# Altium PCB klpfly.PcbDoc (continued)
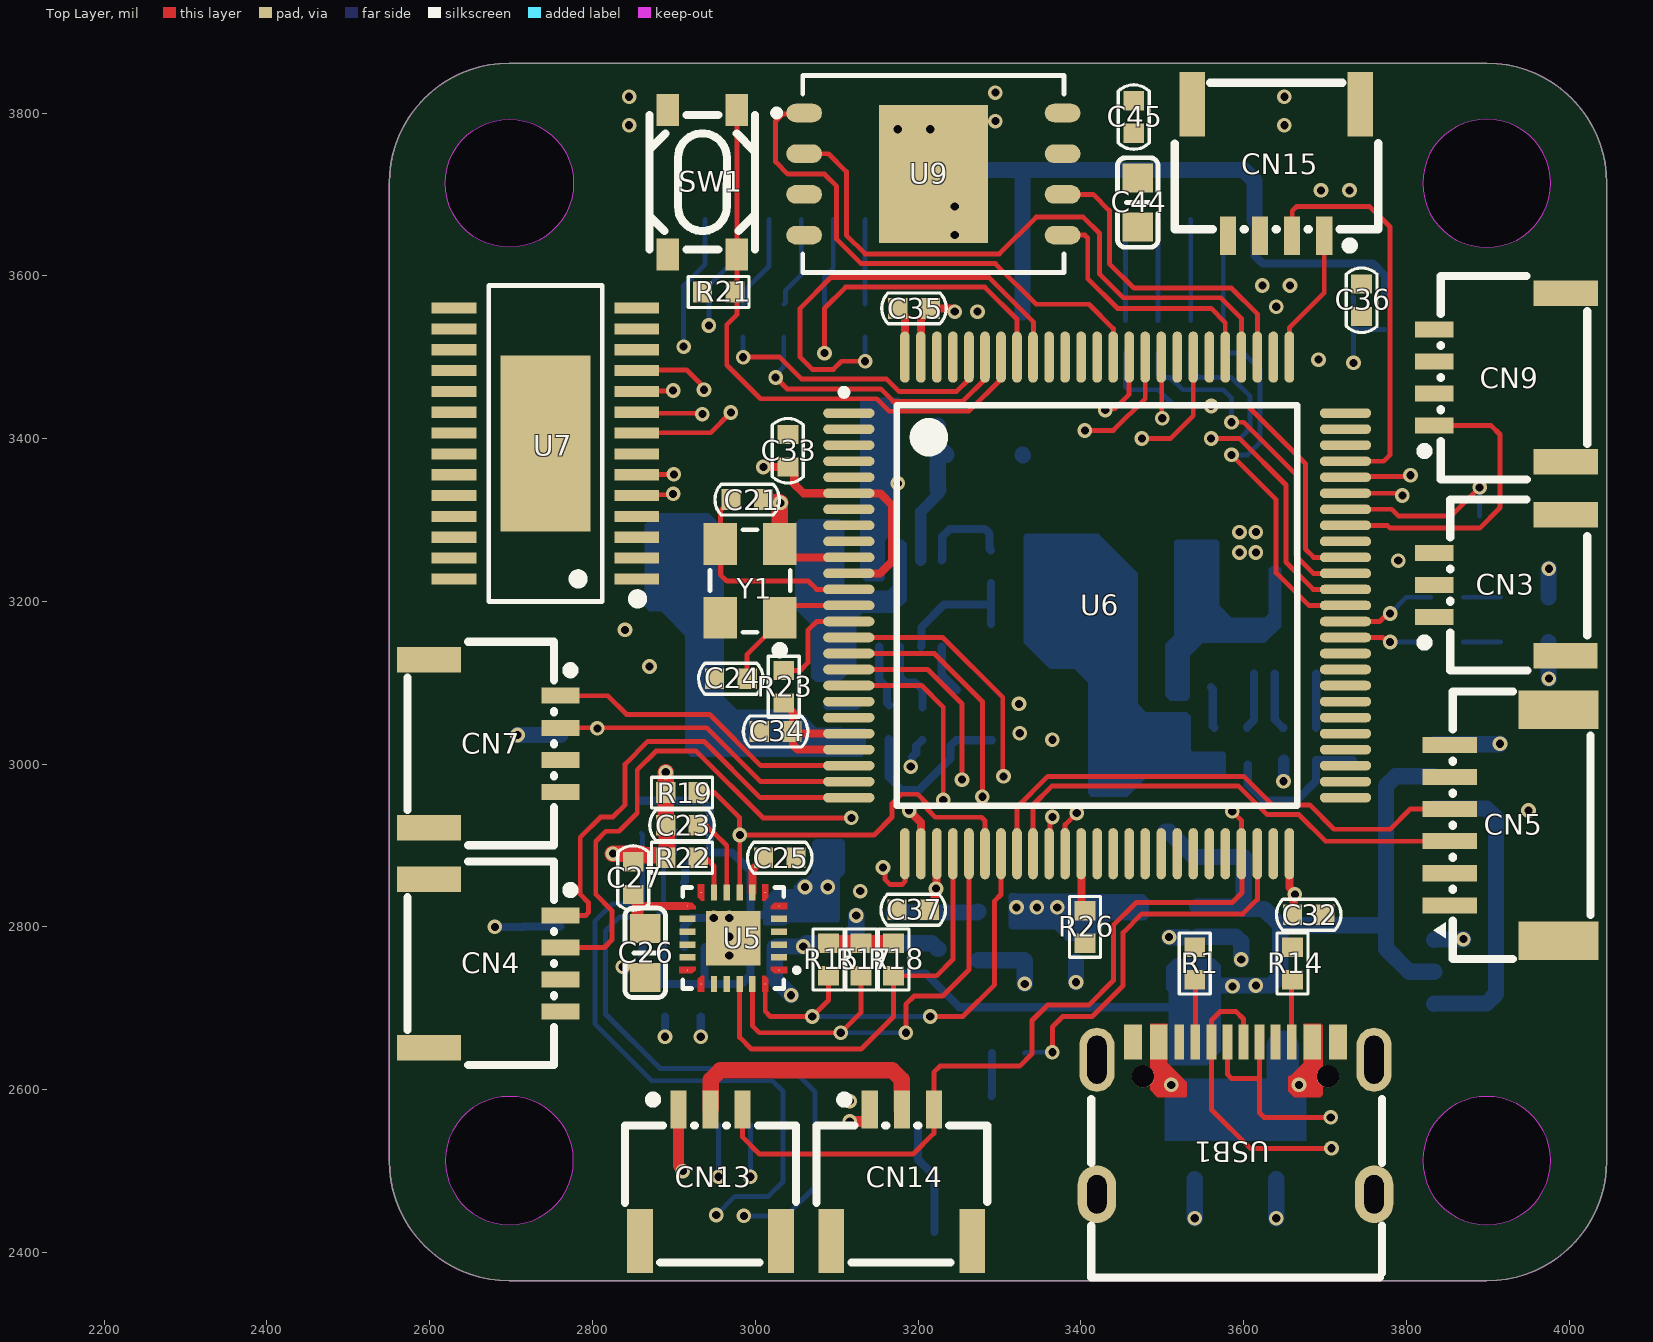
[diagram p0: Top Layer view]
## Footprints (in the part's own frame and the unit in brackets; to place one, negate y for a bottom-side part, rotate by r counter-clockwise, add the part's x,y. Pads: shape width x height; smd on the part's side, far side on the other; paste and mask are expansions set on the pad)
0402C [mm]
  rect 0.6x0.65 smd: 1(-0.508,0) 2(0.508,0)
  silkscreen extent -1.01,-0.48 1.01,0.48, body extent -0.51,-0.23 0.49,0.27, height 0.5
0402R [mm]
  rect 0.6x0.65 smd: 1(-0.508,0) 2(0.508,0)
  silkscreen extent -0.95,-0.48 0.95,0.48, body extent -0.47,-0.25 0.53,0.25, height 0.35
0603C [mm]
  rect 0.9x0.95 smd: 1(-0.762,0) 2(0.762,0)
  silkscreen extent -1.4,-0.64 1.4,0.64, body extent -0.79,-0.38 0.81,0.42, height 0.3
0805 [mil]
  rect 60x50 smd: 1(0,-0.06) 2(90,-0.06)
  silkscreen extent -50,-45 140,45
0805C [mm]
  rect 1.15x1.45 smd: 1(-0.889,0) 2(0.889,0)
  silkscreen extent -1.7,-0.99 1.7,0.99, body extent -1,-0.63 1,0.63, height 0.78
CONN-SMD_3P-P1.00_HDGC_HDGC1002WR-S-3P [mm]
  rect 0.5x1.2 smd paste+0 mask+0.05: 1(-1,2.05) 2(0,2.05) 3(1,2.05)
  rect 0.8x2 smd paste+0 mask+0.05: 4(2.2,-2.05) 5(-2.2,-2.05)
  silkscreen extent -2.67,-2.72 2.67,2.48
CONN-SMD_4P-P1.00_HDGC_HDGC1002WR-S-4P [mm]
  rect 0.5x1.2 smd paste+0 mask+0.05: 1(-1.5,2.05) 2(-0.5,2.05) 3(0.5,2.05) 4(1.5,2.05)
  rect 0.8x2 smd paste+0 mask+0.05: 5(2.625,-2.05) 6(-2.625,-2.05)
  silkscreen extent -3.18,-2.72 3.17,2.49
CONN-SMD_6P-P1.00_MEGASTAR_ZX-SH1.0-6PWT [mm]
  rect 0.5x1.7 smd paste+0 mask+0.05: 1(-2.5,1.7) 2(-1.5,1.7) 3(-0.5,1.7) 4(0.5,1.7) 5(1.5,1.7) 6(2.5,1.7)
  rect 1.2x2.5 smd paste+0 mask+0.05: 7(3.6,-1.7) 8(-3.6,-1.7)
  silkscreen extent -4.17,-2.7 4.18,2.21
CONN-SMD_8P-P1.00_WAFER-SH1.0-8PWB [mm]
  rect 0.5x1.7 smd paste+0 mask+0.05: 1(-3.5,1.7) 2(-2.5,1.7) 3(-1.5,1.7) 4(-0.5,1.7) 5(0.5,1.7) 6(1.5,1.7) 7(2.5,1.7) 8(3.5,1.7)
  rect 1.2x2.5 smd paste+0 mask+0.05: 9(-4.6,-1.7) 10(4.6,-1.7)
  silkscreen extent -5.17,-2.95 5.17,2.32
IND-SMD_L5.4-W5.1 [mm]
  rect 1.25x2.5 smd paste+0.051: 1(-2.4,0) 2(2.4,0)
  silkscreen extent -2.7,-2.6 2.7,2.6
LED-0603 [mm]
  rect 0.8x0.8 smd: 1(-0.75,0) 2(0.75,0)
  silkscreen extent -1.4,-0.64 1.66,0.64, body extent -0.8,-0.4 0.8,0.4, height 0.4
LQFP-100_L14.0-W14.0-P0.50-LS16.0-TL [mm]
  oval 1.6x0.3 smd paste+0 mask+0.051: 1(-7.75,6) 2(-7.75,5.5) 3(-7.75,5) 4(-7.75,4.5) 5(-7.75,4) 6(-7.75,3.5) 7(-7.75,3) 8(-7.75,2.5) 9(-7.75,2) 10(-7.75,1.5) 11(-7.75,1) 12(-7.75,0.5) 13(-7.75,0) 14(-7.75,-0.5) 15(-7.75,-1) 16(-7.75,-1.5) 17(-7.75,-2) 18(-7.75,-2.5) 19(-7.75,-3) 20(-7.75,-3.5) 21(-7.75,-4) 22(-7.75,-4.5) 23(-7.75,-5) 24(-7.75,-5.5) 25(-7.75,-6) 51(7.75,-6) 52(7.75,-5.5) 53(7.75,-5) 54(7.75,-4.5) 55(7.75,-4) 56(7.75,-3.5) 57(7.75,-3) 58(7.75,-2.5) 59(7.75,-2) 60(7.75,-1.5) 61(7.75,-1) 62(7.75,-0.5) 63(7.75,0) 64(7.75,0.5) 65(7.75,1) 66(7.75,1.5) 67(7.75,2) 68(7.75,2.5) 69(7.75,3) 70(7.75,3.5) 71(7.75,4) 72(7.75,4.5) 73(7.75,5) 74(7.75,5.5) 75(7.75,6)
  oval 0.3x1.6 smd paste+0 mask+0.051: 26(-6,-7.75) 27(-5.5,-7.75) 28(-5,-7.75) 29(-4.5,-7.75) 30(-4,-7.75) 31(-3.5,-7.75) 32(-3,-7.75) 33(-2.5,-7.75) 34(-2,-7.75) 35(-1.5,-7.75) 36(-1,-7.75) 37(-0.5,-7.75) 38(0,-7.75) 39(0.5,-7.75) 40(1,-7.75) 41(1.5,-7.75) 42(2,-7.75) 43(2.5,-7.75) 44(3,-7.75) 45(3.5,-7.75) 46(4,-7.75) 47(4.5,-7.75) 48(5,-7.75) 49(5.5,-7.75) 50(6,-7.75) 76(6,7.75) 77(5.5,7.75) 78(5,7.75) 79(4.5,7.75) 80(4,7.75) 81(3.5,7.75) 82(3,7.75) 83(2.5,7.75) 84(2,7.75) 85(1.5,7.75) 86(1,7.75) 87(0.5,7.75) 88(0,7.75) 89(-0.5,7.75) 90(-1,7.75) 91(-1.5,7.75) 92(-2,7.75) 93(-2.5,7.75) 94(-3,7.75) 95(-3.5,7.75) 96(-4,7.75) 97(-4.5,7.75) 98(-5,7.75) 99(-5.5,7.75) 100(-6,7.75)
  silkscreen extent -8,-6.25 6.25,6.75
QFN-8-3X3 [mm]
  oval 1.3x0.35 smd paste+0 mask+0.051: 1(-1.349,1.001) 2(-1.349,0.351) 3(-1.349,-0.3) 4(-1.349,-0.95) 5(1.346,-0.95) 6(1.346,-0.3) 7(1.346,0.351) 8(1.349,1.001)
  silkscreen extent -2.29,-1.6 1.68,1.64
QFN-24_L3.0-W3.0-P0.40-BL-EP [mm]
  round 0.04 smd: 1(-1,-1.428) 6(1,-1.428) 7(1.428,-1) 12(1.428,1) 13(1,1.428) 18(-1,1.428) 19(-1.428,1) 24(-1.428,-1)
  rect 0.2x0.505 smd paste-100 mask+0.051: 2(-0.6,-1.428) 3(-0.2,-1.428) 4(0.2,-1.428) 5(0.6,-1.428) 14(0.6,1.428) 15(0.2,1.428) 16(-0.2,1.428) 17(-0.6,1.428)
  rect 0.505x0.2 smd paste-100 mask+0.051: 8(1.428,-0.6) 9(1.428,-0.2) 10(1.428,0.2) 11(1.428,0.6) 20(-1.428,0.6) 21(-1.428,0.2) 22(-1.428,-0.2) 23(-1.428,-0.6)
  rect 1.7x1.7 smd paste-100 mask+0.051: 25(0,0)
  Top Layer region: -1.1,1.68 -0.9,1.68 -0.9,1.175 -1,1.174 -1.1,1.274 -1.1,1.68
  Top Layer region: -1.68,-1.1 -1.274,-1.1 -1.174,-1 -1.175,-0.9 -1.68,-0.9 -1.68,-1.1
  Top Layer region: 1.68,-1.1 1.275,-1.1 1.175,-1 1.175,-0.9 1.68,-0.9 1.68,-1.1
  Top Layer region: 1.68,1.1 1.274,1.1 1.174,1 1.175,0.9 1.68,0.9 1.68,1.1
  Top Layer region: 1.1,1.68 0.9,1.68 0.9,1.175 1,1.174 1.1,1.274 1.1,1.68
  Top Layer region: -1.1,-1.68 -0.9,-1.68 -0.9,-1.175 -1,-1.174 -1.1,-1.275 -1.1,-1.68
  Top Layer region: 1.1,-1.68 0.9,-1.68 0.9,-1.175 1,-1.175 1.1,-1.275 1.1,-1.68
  Top Layer region: -1.68,1.1 -1.274,1.1 -1.174,1 -1.175,0.9 -1.68,0.9 -1.68,1.1
  silkscreen extent -1.58,-2.05 1.58,1.58
SENSOR-TH_BMP280-BL [mm]
  oval 0.767x0.364 smd paste+0 mask+0.051: 1(-1.008,-0.975) 2(-1.008,-0.325) 3(-1.008,0.325) 4(-1.008,0.975) 5(1.009,0.975) 6(1.009,0.325) 7(1.009,-0.325) 8(1.009,-0.975)
  silkscreen extent -1.61,-1.33 1.08,1.33
SOD-123 [mm]
  rect 1x1.22 smd: 1(-1.524,0) 2(1.524,0)
  silkscreen extent -1.43,-0.85 1.42,0.85, body extent -1.85,-0.81 1.85,0.79, height 1.2
SOD-123_L2.7-W1.8-LS3.7-BI [mm]
  rect 1.4x1.2 smd paste+0 mask+0.051: 1(-1.735,0) 2(1.735,0)
  silkscreen extent -1.38,-0.93 1.38,0.93
SOT-23-5_L3.0-W1.7-P0.95-LS2.8-BL [mm]
  rect 0.49x1.157 smd paste+0 mask+0.051: 1(-0.95,-1.154) 2(0,-1.154) 3(0.95,-1.154)
  rect 0.49x1.175 smd paste+0 mask+0.051: 4(0.95,1.154) 5(-0.95,1.154)
  silkscreen extent -1.8,-1.29 1.53,0.85
SOT-23_L2.9-W1.3-P1.90-LS2.4-BR [mm]
  rect 0.8x0.6 smd paste+0 mask+0.051: 1(1.15,-0.95) 2(1.15,0.95) 3(-1.15,0)
  silkscreen extent -0.7,-1.5 0.7,1.5
SW-SMD_4P-L4.2-W3.2-P2.15-LS4.6-1 [mm]
  rect 1x0.7 smd paste+0 mask+0.051: 1(-2.25,1.075) 2(2.25,1.075) 3(-2.25,-1.075) 4(2.25,-1.075)
  silkscreen extent -2.1,-1.65 2.1,1.65
TSSOP-28_L9.7-W4.4-P0.65-LS6.4-BL-EP5.5 [mm]
  rect 0.35x1.4 smd paste+0 mask+0.051: 1(-4.225,-2.85) 2(-3.575,-2.85) 3(-2.925,-2.85) 4(-2.275,-2.85) 5(-1.625,-2.85) 6(-0.975,-2.85) 7(-0.325,-2.85) 8(0.325,-2.85) 9(0.975,-2.85) 10(1.625,-2.85) 11(2.275,-2.85) 12(2.925,-2.85) 13(3.575,-2.85) 14(4.225,-2.85) 15(4.225,2.85) 16(3.575,2.85) 17(2.925,2.85) 18(2.275,2.85) 19(1.625,2.85) 20(0.975,2.85) 21(0.325,2.85) 22(-0.325,2.85) 23(-0.975,2.85) 24(-1.625,2.85) 25(-2.275,2.85) 26(-2.925,2.85) 27(-3.575,2.85) 28(-4.225,2.85)
  rect 5.5x2.8 smd paste+0 mask+0.05: 29(0,0)
  silkscreen extent -5,-3.02 4.93,1.77
USB-C-SMD_TYPE-C-6PIN-2MD-073 [mm]
  rect 0.55x1.1 smd paste-100 mask+0.05: 1(-3.2,2.375) 2(-2.4,2.375) 11(2.4,2.375) 12(3.2,2.375)
  rect 0.3x1.1 smd paste-100 mask+0.05: 3(-1.75,2.375) 4(-1.25,2.375) 5(-0.75,2.375) 6(-0.25,2.375) 7(0.25,2.375) 8(0.75,2.375) 9(1.25,2.375) 10(1.75,2.375)
  oval 1.2x1.8 hole 0.6 slot 1.2 at 90 deg paste+0 mask+0.05: 13(-4.325,-2.375) 14(4.325,-2.375)
  oval 1.1x2 hole 0.6 slot 1.5 at 90 deg paste+0 mask+0.05: 13(-4.325,1.825) 14(4.325,1.825)
  round 0.7 hole 0.7 unplated paste+0: ""(-2.89,1.305) ""(2.89,1.305)
  silkscreen extent -4.5,-4.97 4.57,0.6
WSON-8_L8.0-W6.10-P1.27-EP [mm]
  oval 1.115x0.581 smd paste+0 mask+0.051: 1(-4.033,1.905) 2(-4.033,0.635) 3(-4.033,-0.635) 4(-4.033,-1.905) 5(4.033,-1.905) 6(4.033,-0.635) 7(4.033,0.635) 8(4.033,1.905)
  rect 3.4x4.3 smd paste+0 mask+0.051: 9(0,0)
  silkscreen extent -4.99,-3.08 4.08,3.08
XTAL3225 [mm]
  rect 1.3x1.05 smd: 1(0,0) 2(2.3,0) 3(2.3,1.85) 4(0,1.85)
  silkscreen extent -1.14,-0.33 2.74,2.17

## Part data
C1 C2 C3 C4 C5 C6 C7 C8 C9 C10 C11 C12 C13 C14 C15 C16 C17 C18 C19 C20 C21 C22 C23 C24 C25 C26 C27 C28 C29 C30 C31 C32 C33 C34 C35 C36 C37 C38 C39 C40 C41 C42 C43 C44 C45 C46 C47: library part C
CN1 CN2: library part WAFER_SMT_1.0X8, "SH1.0 8P", JLCPCB Part Class="Extended Part", Manufacturer=null, Add into BOM=yes, Convert to PCB=yes, Device=WAFER_SMT_1.0X8, FootprintName=CONN-SMD_8P-P1.00_WAFER-SH1.0-8PWB, Manufacturer Part=WAFER_SMT_1.0X8, ModelTransform=407.873,198.8185,0,0,0,0,-0.001,-16.732,0, OriginModelName=CONN-SMD_8P-P1.00_WAFER-SH1.0-8PWB, Supplier=LCSC, Supplier Part=C9900021939, SymbolName=SH1.0X8P, UniqueId=ggebe725300a9fc9f2b
CN3 CN11 CN12 CN13 CN14: library part HDGC1002WR-S-3P, "SH1.0 3P", JLCPCB Part Class="Extended Part", Manufacturer=HDGC(华德共创), Add into BOM=yes, Convert to PCB=yes, Device=HDGC1002WR-S-3P, FootprintName=CONN-SMD_3P-P1.00_HDGC_HDGC1002WR-S-3P, Manufacturer Part=HDGC1002WR-S-3P, ModelTransform=210.63,196.85,0,0,0,0,0,-9.565,0, OriginModelName=CONN-SMD_3P-P1.00_HDGC_HDGC1002WR-S-3P, Supplier=LCSC, Supplier Part=C2936213, SymbolName=SH1.0-3P, UniqueId=gge2ce44b7eaad9832b
CN4 CN6 CN7 CN8 CN9 CN15: "SH1.0 4P", JLCPCB Part Class="Extended Part", Manufacturer=HDGC(华德共创), Add into BOM=yes, Convert to PCB=yes, Device=HDGC1002WR-S-4P, FootprintName=CONN-SMD_4P-P1.00_HDGC_HDGC1002WR-S-4P, Manufacturer Part=HDGC1002WR-S-4P, ModelTransform=249.9995,196.85,0,0,0,0,0,-5.906,0, OriginModelName=CONN-SMD_4P-P1.00_HDGC_HDGC1002WR-S-4P, Supplier=LCSC, Supplier Part=C2936214, SymbolName=HDGC1002WR-S-4P, UniqueId=ggee5a51ee7bd50bb1d
CN5 CN10: library part ZX-SH1.0-6PWT, "SH1.0 6P", JLCPCB Part Class="Extended Part", Manufacturer=Megastar(兆星), Add into BOM=yes, Convert to PCB=yes, Device=ZX-SH1.0-6PWT, FootprintName=CONN-SMD_6P-P1.00_MEGASTAR_ZX-SH1.0-6PWT, link=https://so.szlcsc.com/global.html?k=C7430448&ref=editor, Manufacturer Part=ZX-SH1.0-6PWT, ModelTransform=329.1332,198.8185,0,0,0,0,0.002,-7.876,0, OriginModelName=CONN-SMD_6P-P1.00_MEGASTAR_ZX-SH1.0-6PWT, Supplier=LCSC, Supplier Part=C7430448, SymbolName=SH1.0X6P, UniqueId=ggecd9d3fcf4734ba22
D1 D2: library part D, "1N4148"
D3: JLCPCB Part Class="Extended Part", Manufacturer=AnBon(安邦), Add into BOM=yes, Convert to PCB=yes, Device=SMF28CA, FootprintName=SOD-123_L2.7-W1.8-LS3.7-BI, link=https://so.szlcsc.com/global.html?k=C435496&ref=editor, Manufacturer Part=SMF28CA, ModelTransform=145.669,70.866,0,0,0,0,0,0,0, OriginModelName=SOD-123_L2.7-W1.8-LS3.7-BI, Supplier=LCSC, Supplier Part=C435496, SymbolName=SMF28CA, UniqueId=gge8336ca0810bb463b
L1 L2: library part L
LED1 LED2: "红色,0603,0603,*,RoHS", ComponentLink1Description=ErpDataInfo, ComponentLink1URL=http://erp.zlgmcu.com/ErpExt/ErpData/ListMateriel.aspx?pkey=1.04.05.0008, RoHS=RoHS, 名称=发光二极管, 器件优选方案=优先选用, 型号=红色,0603, 封装=0603, 物料代码=1.04.05.0008, 设备封装名称=LED0603-RED, 贴片和直插=SMT
P1: library part "Header 2", "Header, 2-Pin", LatestRevisionDate=17-Jul-2002, LatestRevisionNote="Re-released for DXP Platform.", Publisher="Altium Limited"
Q1 Q2: Manufacturer=FH(风华), Add into BOM=yes, Convert to PCB=yes, Device=S8050LT1-J3Y, FootprintName=SOT-23_L2.9-W1.3-P1.90-LS2.4-BR, link=https://atta.szlcsc.com/upload/public/pdf/source/20220411/740B3F4857AB400E9826209E74F1EDA4.pdf, Manufacturer Part=S8050LT1-J3Y, ModelTransform=98.64468,114.173,0,180,0,0,0.001,0.001,0, OriginModelName=SOT-23-3P_L2.9-W1.3-H1.0-LS2.4-P0.95, Supplier=LCSC, Supplier Part=C2962087, SymbolName=S8050LT1-J3Y, UniqueId=gge1c8eb3e3ebf663b6
R1 R2 R3 R4 R5 R6 R7 R8 R9 R10 R11 R12 R13 R14 R15 R16 R17 R18 R19 R20 R21 R22 R23 R24 R25 R26 R27 R28 R29 R30 R31 R32 R33 R34 R35 R36 R37 R38 R39 R40 R41 R42: library part R
SW1: JLCPCB Part Class="Extended Part", Manufacturer="SHOU HAN(首韩)", Package Display=No, Contributor=LCSC, Manufacturer Part=TS3425BA, spicePre=S, spiceSymbolName=TS3425BA, Supplier=LCSC, Supplier Part=C2681476
U3 U4: JLCPCB Part Class="Extended Part", Manufacturer=MaxLinear(迈凌), Add into BOM=yes, Convert to PCB=yes, Device=SPX3819M5-L-3-3/TR, FootprintName=SOT-23-5_L3.0-W1.7-P0.95-LS2.8-BL, Manufacturer Part=SPX3819M5-L-3-3/TR, ModelTransform=114.173,109.636,0,180,0,0,0,-0.001,0, OriginModelName=SOT-23-5_L2.9-W1.6-H1.1-LS2.8-P0.95, Supplier=LCSC, Supplier Part=C9055, SymbolName=SPX3819M5-L-3-3/TR, UniqueId=gge70c12bce5ebcd7d5
U5: library part MPU-6500, JLCPCB Part Class="Extended Part", Manufacturer="TDK InvenSense(应美盛)", Add into BOM=yes, Convert to PCB=yes, Device=MPU-6500, FootprintName=QFN-24_L3.0-W3.0-P0.40-BL-EP, Manufacturer Part=MPU-6500, ModelTransform=118.11,118.11,0,90,0,0,0,0,0, OriginModelName=QFN-24_L3.0-W3.0-H0.9-P0.40-BL-EP, Supplier=LCSC, Supplier Part=C50278, SymbolName=MPU6500, UniqueId=gge6fb0faa0bb8ee760
U6: library part AT32F435VMT7, Manufacturer=ARTERY（雅特力）, Add into BOM=yes, Convert to PCB=yes, Device=AT32F435VMT7, FootprintName=LQFP-100_L14.0-W14.0-P0.50-LS16.0-TL, link=https://atta.szlcsc.com/upload/public/pdf/source/20220608/9A6D4578C11CEA8ECA586071DFEBC06A.pdf, Manufacturer Part=AT32F435VMT7, ModelTransform=629.921,629.921,0,270,0,0,0,0,0, OriginModelName=LQFP-100_L14.0-W14.0-H1.4-LS16.0-P0.50, Supplier=LCSC, Supplier Part=C3029578, SymbolName=AT32F437VMT7-LQFP100, UniqueId=ggece277d5420079038
U7: JLCPCB Part Class="Extended Part", Manufacturer=ZHONGKEWEI, Add into BOM=yes, Convert to PCB=yes, Device=AT7456E, FootprintName=TSSOP-28_L9.7-W4.4-P0.65-LS6.4-BL-EP5.5, Manufacturer Part=AT7456E, ModelTransform=381.889,251.968,0,0,0,0,0,0.005,0, OriginModelName=TSSOP-28_L9.7-W4.4-P0.65-LS6.4-BL-EP5.5, Supplier=LCSC, Supplier Part=C82351, SymbolName=AT7456E, UniqueId=gge0ef7d474198b7014
U8: JLCPCB Part Class="Extended Part", Manufacturer=Bosch, Add into BOM=yes, Convert to PCB=yes, Device=BMP280, FootprintName=SENSOR-TH_BMP280-BL, Manufacturer Part=BMP280, ModelTransform=98.425,78.74,0,270,0,0,0.005,-0.001,0, OriginModelName=LGA-8_L2.0-W2.5-H1.0-P0.65, Supplier=LCSC, Supplier Part=C83291, SymbolName=BMP280, UniqueId=gge447de30e0e3d1cf2
U9: JLCPCB Part Class="Extended Part", Manufacturer="Winbond Elec", Add into BOM=yes, Convert to PCB=yes, Device=W25N01GVZEIG, FootprintName=WSON-8_L8.0-W6.10-P1.27-EP, Manufacturer Part=W25N01GVZEIG, ModelTransform=315.7474,236.22,0,0,0,0,0,0,0, OriginModelName=WSON-8_L8.0-W6.0-H0.8-P1.27, Supplier=LCSC, Supplier Part=C88868, SymbolName=W25N01GVZEIG, UniqueId=ggee63176ef5aab684c
USB1: library part "TYPE-C 16PIN 2MD(073)", JLCPCB Part Class="Extended Part", Manufacturer="SHOU HAN(首韩)", Package Display=Yes, Contributor=LCSC, Manufacturer Part="TYPE-C 16PIN 2MD(073)", spicePre=U, spiceSymbolName="TYPE-C 16PIN 2MD(073)", Supplier=LCSC, Supplier Part=C2765186
Y1 Y2: library part XTAL_3225, "3225贴片无源晶振"
U1 U2: Add into BOM=yes, Convert to PCB=yes, Device=MP9943, FootprintName=QFN-8-3X3, SymbolName=MP9943, UniqueId=ggeb87cc7bca5c8949e

## Via types
v1: diameter 18, hole 10, Top Layer to Bottom Layer, 122 vias

## Nets (pads, with @x,y where several pads share a name; then routed paths per layer and width w, separated by ;. In a path a pad name is that pad's centre, name@x,y a point inside that pad or via, vN(x,y) a via of type N, cw(c..) or ccw(c..) an arc to the next point about the centre after c; other vN are vias at no path point)
: CN9.1 U6.68 | length 376.9
  Top Layer w6: U6.68 3776.57,3293.43 3780,3290 3890,3290 3915,3315 3915,3405 3904.06,3415.94 CN9.1
AT_CS: R28.2 U6.86 U7.8 | length 669.9
  Top Layer w6: U7.8@2854.77,3407.14 2945.14,3407.14 v1(2970,3432) ; v1(3430,3435) 3431.73,3436.73 3441.73,3436.73 3459.37,3454.37 U6.86
  POWER2 w6: v1(2970,3432) 2971.5,3433.5 3428.5,3433.5 v1(3430,3435)
AT_MISO: U6.84 U7.11 | length 753.6
  Top Layer w6: U7.11 2855.14,3484.27 2915.73,3484.27 2937,3463 v1(2937,3460) ; U6.84 3499.37,3499.48 3499.37,3425.63 v1(3500,3425)
  POWER2 w6: v1(2937,3460) 3014.54,3460 3021.54,3453 3405,3453 3412,3460 3440,3460 3475,3425 v1(3500,3425)
AT_MOSI: U6.85 U7.9 | length 702.8
  Top Layer w6: U7.9@2854.77,3432.73 2856.32,3431.18 2933.82,3431.18 v1(2935,3430) ; v1(3405,3410) 3440,3410 3479.06,3449.06 U6.85
  POWER2 w6: v1(2935,3430) 2935,3426.84 2951.84,3410 v1(3405,3410)
AT_SCK: U6.82 U7.10 | length 824.7
  Top Layer w6: U7.10@2854.77,3458.32 2854.93,3458.48 2898.48,3458.48 v1(2899,3459) ; v1(3475,3400) 3510,3400 3538.11,3428.11 U6.82
  POWER2 w6: v1(2899,3459) 2912,3446 2912,3418 2940,3390 3385,3390 3395,3380 3410,3380 3430,3400 v1(3475,3400)
BEEPER: R42.1 U6.48 | length 476.3
  Top Layer w6: v1(3365,2646) 3365,2677 3378,2690 3413.97,2690 3452,2728.03 3452,2793 3475,2816 3599,2816 3616.85,2833.85 U6.48
  Bottom Layer w6: R42.1 3332,2646 v1(3365,2646)
BOOT0: R21.2 SW1.1 SW1.2 U6.94 | length 722
  Top Layer w6: SW1.2 2977.32,3552.32 2965,3540 2965,3490.46 3006.46,3449 3149,3449 3164.39,3433.61 3262.37,3433.61 3301.89,3473.13 U6.94 ; SW1.2 SW1.1
BOX_CS: U6.87 U9.1 | length 662.1
  Top Layer w6: U9.1 3058.78,3798.78 3033.78,3798.78 3025,3790 3025,3740 3040,3725 3085,3725 3100,3710 3100,3645 3130,3615 3295,3615 3345,3565 3410,3565 3439.95,3535.05 3439.95,3500.38 U6.87
BOX_MISO: U6.79 U9.2 | length 780.9
  Top Layer w6: U9.2 3090,3750 3112,3728 3112,3649.97 3134.97,3627 3299.97,3627 3345,3672.03 3402.97,3672.03 3423,3652 3423,3602 3452,3573 3572,3573 3597.17,3547.83 U6.79
BOX_MOSI: U6.80 U9.5 | length 316.1
  Top Layer w6: U9.5 3404.98,3650 3408.5,3646.48 3408.5,3596.5 3445,3560 3560,3560 3577.48,3542.52 U6.80
BOX_SCK: U6.78 U9.6 | length 391.2
  Top Layer w6: U9.6 3415,3700 3435,3680 3435,3615 3465,3585 3585,3585 3616.85,3553.15 U6.78
CURRENT1: CN1.1 U6.36 | length 1215.1
  Top Layer w6: U6.36 3380.63,2925.63 v1(3395,2940)
  POWER2 w6: v1(2912,3513) 2878,3479 2878,3432 3028,3282 3354,3282 3395,3241 v1(3395,2940)
  Bottom Layer w6: v1(2912,3513) 2912,3588 2938.31,3614.31 CN1.1
GND: C3.1 C4.1 C5.1 C6.1 C7.1 C8.1 C9.1 C10.1 C11.1 C12.1 C13.1 C14.1 C15.1 C16.1 C17.1 C18.1 C19.1 C20.1 C21.1 C22.1 C23.2 C24.1 C25.1 C26.1 C27.1 C28.1 C30.1 C32.1 C33.1 C34.1 C35.1 C36.1 C37.1 C39.1 C40.1 C41.1 C42.1 C43.1 C44.1 C45.1 C46.1 C47.1 CN1.8 CN1.9 CN1.10 CN2.8 CN2.9 CN2.10 CN3.1 CN3.4 CN3.5 CN4.4 CN4.5 CN4.6 CN5.2 CN5.5 CN5.7 CN5.8 CN6.2 CN6.5 CN6.6 CN7.4 CN7.5 CN7.6 CN8.3 CN8.5 CN8.6 CN9.4 CN9.5 CN9.6 CN10.5 CN10.7 CN10.8 CN11.1 CN11.4 CN11.5 CN12.1 CN12.4 CN12.5 CN13.1 CN13.4 CN13.5 CN14.1 CN14.4 CN14.5 CN15.4 CN15.5 CN15.6 D3.1 LED1.2 LED2.2 Q1.2 Q2.2 R1.1 R12.1 R13.1 R14.1 R19.2 R20.1 R21.1 R22.2 R25.1 R26.2 U1.5 U2.5 U3.2 U4.2 U5.18 U5.20 U5.25 U6.10 U6.20 U6.27 U6.74 U6.99 U7.4 U7.20 U7.23 U7.29 U8.1 U8.5 U8.7 U9.4 U9.9 USB1.1 USB1.12 USB1.13 USB1.14 Y1.2 Y1.4 Y2.2 Y2.4 | length 1640
  Top Layer w10: v1(2837,2751) 2837.22,2750.78 2852.02,2750.78 C26.1 ; Y1.2 3030,3269.73 3045.67,3254.06 U6.10 ; v1(3189,2943) 3203.46,2928.54 U6.27 ; U6.99 3203.46,3547.48 3215,3559.02 C35.1 v1@3245,3560
  Top Layer w14: CN13.1 2905.63,2506.45 2911,2501.08 v1(2911,2500) ; v1(3116,2561) 3137.79,2561 3140.63,2563.84 CN14.1
  Top Layer w20: v1(2825,2890) 2850,2890 2860,2890 2861.81,2888.19 R22.2@2890,2888.19 ; R22.2@2890,2887.8 2891.25,2887.8 2891.25,2923.75 C23.2 R19.2 2888.19,2966.81 2889.02,2966.81 2890,2967.8 v1(2890,2990) ; C21.1 3010,3324.02 3011.81,3322.2 3029.8,3322.2 v1(3031,3321) 3030,3320 Y1.2
  Bottom Layer w10: v1(2837,2751) 2839.16,2751 2842.66,2747.5 2854.44,2747.5 2861.61,2754.67 U8.5 ; v1(2889,2665) C40.1 ; U8.7 2912.8,2801.8 2922,2811 v1(2949,2811) v1(2968,2811) ; v1(2933,2665) C39.1
  Bottom Layer w20: v1(3044,2716) 3024,2736 C12.1 3025.8,2775 3026.8,2776 v1(3059,2776) 3063,2780 3118,2780 ; v1(3124,2814) 3124,2786 3118,2780 ; C4.1 3224.02,2773 3217.02,2780 U3.2 3118,2780 ; C3.1 3274.11,2759.11 3330.05,2759.11 C13.1 3331,2758.37 v1(3331,2730) ; v1(3394,2732) 3394,2757.06 C14.1 ; v1(3508.46,2787.46) U4.2@3530.38,2787.46 ; v1(3540,2442) C46.1 ; U4.2 3590.2,2787.82 3596.02,2782 C6.1 v1(3597,2760) ; v1(3640,2442) C47.1 ; CN11.1 3834.45,2784.53 3869.53,2784.53 v1(3870,2785) ; CN12.1 3914.37,3024.37 v1(3915,3025) ; LED1.2 3974.53,3105.47 v1(3975,3105) ; LED2.2 3974.53,3239.53 v1(3975,3240)
  other v1: 3116,2586 2968,2765 2968,2788 3129,2844 3365,3030 3325,3038 3324,3074 2870,3120 2840,3165 3790,3250 3595,3260 3615,3260 3595,3285 3615,3285 3175,3345 3692,3497 3245,3556 3273,3556 3640,3562 3623,3588 3657,3588 3245,3650 3245,3685 3175,3780 3215,3780 2845,3785 3295,3790 2845,3820 3295,3825
GYRO_CS1: R18.2 U5.22 U6.29 | length 538.5
  Top Layer w6: U5.22 2980.75,2664.25 2995,2650 3130,2650 3170,2690 R18.2 3222.83,2740 3242.83,2760 U6.29
GYRO_EXTI1: U6.77
GYRO_EXTI2: U6.60
GYRO_MISO: R19.1 U5.9 U6.31 | length 545
  Top Layer w6: R19.1 2950,2965 2980.7,2934.3 2980.7,2913.3 v1(2981,2913) ; U5.9 2980.87,2842.53 2980.87,2912.87 v1(2981,2913) ; U6.31 3282.2,2930.49 3277.96,2934.73 3221.27,2934.73 3211,2945 3211,2951.49 3199.49,2963 3179.51,2963 3168,2951.49 3168,2935 3146,2913 v1(2981,2913)
GYRO_MOSI: R15.2 U5.24 U6.32 | length 556.7
  Top Layer w6: U5.24 3012.25,2696.26 3018.51,2690 v1(3070,2690) 3090,2710 R15.2 ; v1(3215,2690) 3255,2690 3294,2729 3294,2832 3301.89,2839.89 U6.32
  Bottom Layer w6: v1(3070,2690) v1(3215,2690)
GYRO_SCK: R17.2 U5.23 U6.30 | length 596.4
  Top Layer w6: U5.23 2996.5,2678.5 3005,2670 v1(3105,2670) 3130,2695 R17.2 ; v1(3185,2670) 3185,2705 3195,2715 3230,2715 3262.52,2747.52 U6.30
  Bottom Layer w6: v1(3105,2670) v1(3185,2670)
HEXT_IN: C21.2 U6.12 Y1.3 | length 262.7
  Top Layer w6: C21.2 2970,3324.02 2957.17,3311.18 Y1.3 2957.17,3232.83 2965,3225 3065,3225 3075.32,3214.68 U6.12
HEXT_OUT: C24.2 U6.13 Y1.1 | length 182.7
  Top Layer w6: C24.2 2990,3135.08 3030,3175.08 Y1.1 3045,3195 U6.13
I2C_SCL: CN10.2 R29.1 U6.15 U8.4 | length 1882.5
  Top Layer w6: U6.15 3230.37,3155.63 3304,3082 3304,2986 v1(3305,2985)
  POWER2 w6: v1(2952,2446) 2952,2431 2966,2417 3082,2417 3291,2626 3291,2900 3305,2914 v1(3305,2985)
  Bottom Layer w6: R29.1 2861.61,2913.39 U8.4 2861.61,2831.51 2858.1,2828 2824,2828 2803,2807 2803,2681 2873,2611 3021,2611 3034.05,2597.95 CN10.2 3034.05,2487.05 3016,2469 2975,2469 v1(2952,2446)
I2C_SDA: CN10.1 R31.1 U6.16 U8.3 | length 1802.7
  Top Layer w6: U6.16 3220.06,3135.94 3279,3077 v1(3279,2960)
  POWER2 w6: v1(2986,2445) 3084,2445 3275,2636 3275,2906 3279,2910 v1(3279,2960)
  Bottom Layer w6: R31.1 2901,2915 2901,2891 2887.21,2877.21 U8.3 2887.21,2822.21 2877,2812 2833,2812 2816,2795 2816,2693 2883,2626 3045,2626 3073.42,2597.58 CN10.1 3073.42,2480.42 3038,2445 v1(2986,2445)
LED: CN11.3 CN12.3 CN13.3 CN14.3 U6.47 | length 1744
  Top Layer w6: CN13.3 2984.37,2541.63 3005.19,2520.82 3193.82,2520.82 3219.37,2546.37 CN14.3 3219.37,2621.37 3227,2629 3325,2629 3340,2644 3340,2685 3359,2704 3409.78,2704 3440,2734.22 3440,2802 3468,2830 3586,2830 3598,2842 3598,2889.06 U6.47 3597.17,2930.83 v1(3586,2942)
  GND3 w6: v1(3586,2942) 3586.5,2942.5 3949.5,2942.5 v1(3950,2943)
  Bottom Layer w20: CN11.3 3834.45,2705.79 3898.28,2705.79 3910,2717.5 3910,2933.92 3898.28,2945.63 CN12.3
LED1: R32.2 U6.61 | length 107.2
  Top Layer w6: U6.61 3771.12,3155.63 3776.75,3150 v1(3780,3150)
  Bottom Layer w6: v1(3780,3150) R32.2
LED2: R33.2 U6.62 | length 117.2
  Top Layer w6: U6.62 3767.06,3175.31 3776.75,3185 v1(3780,3185)
  Bottom Layer w6: v1(3780,3185) 3800,3205 R33.2
MOTOR1: R34.2 U6.92 | length 549.1
  Top Layer w6: v1(3135,3495) 3105.88,3495 3095.88,3485 3070,3485 3055,3500 3055,3560 3093,3598 3287,3598 3342,3543 3342,3500.85 U6.92
  Bottom Layer w6: v1(3135,3495) R34.2
MOTOR2: R36.2 U6.93 | length 385.1
  Top Layer w6: v1(3085,3505) 3085,3560 3111,3586 3282.03,3586 3321.57,3546.46 U6.93
  Bottom Layer w6: v1(3085,3505) R36.2
MOTOR3: R38.2 U6.95 | length 361.9
  Top Layer w6: v1(3025,3475) 3039,3461 3153.97,3461 3169.36,3445.61 3254.69,3445.61 3282.2,3473.12 U6.95
  Bottom Layer w6: v1(3025,3475) 3025,3478.25 3035,3488.25 R38.2
MOTOR4: R40.2 U6.96 | length 353.5
  Top Layer w6: v1(2985,3500) 3030,3500 3057,3473 3161.39,3473 3176.78,3457.61 3247,3457.61 3262.52,3473.13 U6.96
  Bottom Layer w6: v1(2985,3500) R40.2
NetC1_1: C1.1 L1.2 U1.6
NetC1_2: C1.2 R2.2 | length 36.2
  Bottom Layer w10: C1.2 3089.69,3071.69 3123.94,3071.69 R2.2
NetC2_1: C2.1 L2.2 U2.6
NetC2_2: C2.2 R3.2 | length 51.4
  Bottom Layer w10: C2.2 3562.05,3092.37 3562.05,3046.77 R3.2
NetC9_2: C9.2 C10.2 D1.1 L2.1 R11.2
NetC17_2: C17.2 R6.1 U1.2 | length 171.8
  Bottom Layer w10: U1.2 3204.15,3145.01 3204.15,3168.15 3232,3196 3288.24,3196 3289.63,3197.38 ; C17.2 3289.63,3197.38 ; R6.1 3289.63,3197.38
NetC20_2: C20.2 R9.1 U2.2
NetC23_1: C23.1 U5.10 | length 93.5
  Top Layer w6: C23.1@2940,2925 2940,2924.02 2948.81,2915.2 2949.8,2915.2 2965,2900 U5.10
NetC29_1: C29.1 C31.1 R24.2
NetC29_2: C29.2 U7.26
NetC31_2: C31.2 U7.25
NetC38_2: C38.2 U7.22
NetCN1_3: CN1.3 R40.1 | length 117.2
  Bottom Layer w6: R40.1 2987.3,3567.3 2987.3,3582.3 3017.03,3612.03 CN1.3
NetCN1_4: CN1.4 R38.1 | length 112.8
  Bottom Layer w6: R38.1 3037.3,3567.3 3037.3,3582.3 3056.4,3601.4 CN1.4
NetCN1_5: CN1.5 R36.1 | length 108.4
  Bottom Layer w6: R36.1 3085,3598.45 3095.77,3609.23 CN1.5
NetCN1_6: CN1.6 R34.1 | length 104
  Bottom Layer w6: R34.1 3135,3668.83 CN1.6
NetCN2_3: CN2.3 R41.1 | length 124.4
  Bottom Layer w6: R41.1 3455,3668.04 CN2.3
NetCN2_4: CN2.4 R39.1 | length 124.1
  Bottom Layer w6: R39.1 3495,3668.67 CN2.4
NetCN2_5: CN2.5 R37.1 | length 124.1
  Bottom Layer w6: CN2.5 3535,3668.65 R37.1
NetCN2_6: CN2.6 R35.1 | length 124.4
  Bottom Layer w6: CN2.6 3575,3668.02 R35.1
NetLED1_1: LED1.1 R32.1 | length 45.5
  Bottom Layer w6: R32.1 LED1.1
NetLED2_1: LED2.1 R33.1 | length 45.5
  Bottom Layer w6: R33.1 LED2.1
NetP1_2: P1.2 Q2.3 | length 138.4
  Bottom Layer w10: Q2.3 3199.73,2514.45 3220,2494.18 P1.2
NetQ2_1: Q2.1 R42.2 | length 53.3
  Bottom Layer w6: R42.2@3290.72,2644.72 R42.2
  Bottom Layer w10: Q2.1 3291,2593.13 R42.2
NetR1_2: R1.2 USB1.4 | length 76.8
  Top Layer w6: R1.2 3540.79,2734.21 USB1.4
NetR2_1: R2.1 U1.4 | length 77
  Bottom Layer w10: U1.4 3152.23,3103.77 3162,3094 3162,3075.01 R2.1
NetR3_1: R3.1 U2.4 | length 70.1
  Bottom Layer w10: R3.1 3604.09,3045.71 3612.6,3054.22 U2.4
NetR4_2: R4.2 U1.3 | length 93.4
  Bottom Layer w10: U1.3 3177.83,3107.17 3185,3100 3197,3100 3205.63,3091.37 R4.2
NetR5_2: R5.2 U2.3 | length 71.7
  Bottom Layer w10: U2.3 3638.2,3054.64 3648.11,3044.73 R5.2
NetR6_2: R6.2 U1.8 | length 115.4
  Bottom Layer w10: U1.8 3229.75,3251.21 3229.75,3279.75 3239,3289 3282,3289 3287.86,3283.14 3287.86,3264.15 R6.2
NetR7_1: R7.1 U1.1 | length 60.6
  Bottom Layer w10: U1.1 3229.03,3109.97 3247.63,3091.37
NetR7_2: R7.2 R8.1 R12.2 | length 214.9
  Bottom Layer w10: R8.1 3164,2984 3180,2968 3200.94,2968 3239.83,3006.89 3239.83,3022.57 3246.64,3029.38 R7.2 R12.2
NetR9_2: R9.2 U2.8
NetR10_1: R10.1 U2.1 | length 66.7
  Bottom Layer w10: R10.1 3689.25,3044.88 3689.25,3111.16 U2.1
NetR10_2: R10.2 R11.1 R13.2 | length 197.4
  Bottom Layer w10: R11.1 3605,2975 3625,2955 3665,2955 3689.09,2979.09 R10.2 R13.2
NetR14_2: R14.2 USB1.10 | length 77
  Top Layer w6: USB1.10 3658.9,2733.9 R14.2
NetR22_1: R22.1 U5.11 | length 46.4
  Top Layer w6: R22.1@2940,2885 2940,2884.02 2949.25,2874.76 U5.11
NetR23_1: R23.1 U6.14 | length 128.3
  Top Layer w6: R23.1 3055,3115 3065,3125 3065,3165 3075.31,3175.31 U6.14
NetR26_1: R26.1 U6.37 | length 71.8
  Top Layer w10: U6.37 3400.67,2889.54 3400.67,2824.33 R26.1
NetR27_2: R27.2 U7.19
OSD_HEXT_IN: C28.2 U7.5 Y2.3 | length 45.4
  Top Layer w6: U7.5 2855.41,3331 2898,3331 v1(2899,3332)
OSD_HEXT_OUT: C30.2 U7.6 Y2.1 | length 45.8
  Top Layer w6: U7.6 2854.62,3355.8 2899.8,3355.8 v1(2900,3356)
OSD_IN_CAM: C38.1 CN6.1 R25.2 | length 53
  Bottom Layer w20: v1(2707.78,3035.78) 2760.55,3035.78 CN6.1
OSD_OUT_VTX: CN8.2 R24.1 | length 80.8
  Bottom Layer w10: v1(2680,2800) 2715,2800 2715.31,2800.31 CN8.2
SBUS: CN3.3 CN5.1 Q1.1
SERVO1: R35.2 U6.63 | length 454
  Top Layer w6: v1(3585,3380) 3640,3325 3640,3235 3680,3195 U6.63
  Bottom Layer w6: R35.2 3600,3505 3620,3485 3620,3395 3605,3380 v1(3585,3380)
SERVO2: R37.2 U6.64 | length 496.6
  Top Layer w6: v1(3560,3400) 3595,3400 3652,3343 3652,3248 3685.32,3214.68 U6.64
  Bottom Layer w6: R37.2 3535,3485 3545,3475 3585,3475 3608,3452 3608,3413 3595,3400 v1(3560,3400)
SERVO3: R39.2 U6.65 | length 433.9
  Top Layer w6: v1(3585,3420) 3600,3420 3664,3356 3664,3256 3685.63,3234.37 U6.65
  Bottom Layer w6: R39.2 3495,3478.51 3498.51,3475 3510,3475 3525,3460 3575,3460 3585,3450 v1(3585,3420)
SERVO4: R41.2 U6.66 | length 459.9
  Top Layer w6: v1(3560,3440) 3605,3440 3676,3369 3676,3264 3685.94,3254.06 U6.66
  Bottom Layer w6: R41.2 3455,3463.51 3458.51,3460 3495,3460 3515,3440 v1(3560,3440)
SWDCLK: CN15.1 U6.76 | length 166.9
  Top Layer w6: U6.76 3656.22,3536.22 3699.06,3579.06 CN15.1
SWDIO: CN15.2 U6.72 | length 501.4
  Top Layer w6: CN15.2 3659.69,3679.69 3665,3685 3755,3685 3780,3660 3780,3380 3772.17,3372.17 U6.72
UART1_RX: CN9.2 Q1.3 R30.2 U6.69 | length 217.7
  Top Layer w6: U6.69 3781.89,3313.11 3790,3305 3855,3305 v1(3890,3340)
  Bottom Layer w6: R30.2 v1(3890,3340)
UART2_RX: CN4.2 U6.26 | length 776.9
  Top Layer w6: CN4.2 2814.69,2774.69 2824,2784 2824,2820 2804,2840 2804,2905 2816.5,2917.5 2832.5,2917.5 2855,2940 2855,2993.03 2877.97,3016 2927.46,3016 3009.46,2934 v1(3118,2934) ; v1(3157,2873) 3159.3,2870.7 3159.3,2858.7 3166,2852 3180.27,2852 3183.78,2855.51 U6.26
  POWER2 w6: v1(3118,2934) 3157,2895 v1(3157,2873)
UART2_TX: CN4.1 CN8.1 U6.25 | length 569
  Top Layer w6: CN4.1 2791.49,2814.06 2795,2817.57 2795,2830 2785,2840 2785,2910 2810,2935 2825,2935 2840,2950 2840,3000 2868,3028 2937,3028 3006.22,2958.78 U6.25
UART3_RX: CN5.3 U6.34 | length 609.4
  Top Layer w6: U6.34 3341.26,2949.83 3364.45,2973.02 3593.98,2973.02 3629,2938 3668,2938 3700.68,2905.32 CN5.3
UART3_TX: CN5.4 U6.33 | length 641.9
  Top Layer w6: U6.33 3321.57,2947.11 3359.48,2985.02 3599.98,2985.02 3635,2950 3681,2950 3711,2920 3780,2920 3805,2945 3852.76,2945 CN5.4
UART4_RX: CN1.2 CN2.2 CN7.2 U6.24 | length 1112.4
  Top Layer w6: CN7.2 2940.31,3044.69 3006.54,2978.46 U6.24
  POWER2 w6: v1(2806,3044) 2805.78,3044.22 2805.78,3179.52 2855,3228.74 2855,3510 2884,3539 v1(2943,3539)
  Bottom Layer w6: v1(2943,3539) 2943,3588 2977.68,3622.68 CN1.2
UART4_TX: CN7.1 U6.23 | length 389.8
  Top Layer w6: CN7.1 2818.94,3084.06 2842,3061 2943.84,3061 3006.69,2998.15 U6.23
UART8_RX: CN10.3 U6.18 | length 933.9
  Top Layer w6: U6.18 3204.43,3096.57 3231,3070 v1(3231,2956)
  POWER2 w6: v1(2994,2493) 3085,2493 3247,2655 3247,2893 3230,2910 3230,2955 v1(3231,2956)
  Bottom Layer w6: v1(2994,2493) 2994,2556.25 CN10.3
UART8_TX: CN10.4 U6.17 | length 1040.8
  Top Layer w6: U6.17 3211.74,3116.26 3254,3074 v1(3254,2981)
  POWER2 w6: v1(2955,2493) 2979,2469 3084,2469 3261,2646 3261,2911 3254,2918 v1(3254,2981)
  Bottom Layer w6: v1(2955,2493) 2955,2556.62 CN10.4
USB_DN: U6.70 USB1.5 USB1.7 | length 1359
  Top Layer w6: USB1.7 3599.84,2686.84 3590.69,2696 3571,2696 3560.64,2685.64 3560.64,2658.68 USB1.5 3560.47,2575.61 3608.08,2528 v1(3708,2528) ; U6.70 3792.2,3332.8 v1(3795,3330)
  POWER2 w6: v1(3708,2528) 3659.91,2528 3625,2562.91 3625,2646 3728,2749 3728,3263 v1(3795,3330)
USB_DP: U6.71 USB1.6 USB1.8 | length 1268.5
  Top Layer w6: USB1.6 3580.16,2618.84 3585,2614 3616.53,2614 3619.53,2611 ; USB1.8 3619.53,2611 ; v1(3707,2566) 3625,2566 3619.53,2571.47 3619.53,2611 ; U6.71 3726.23,3353.59 3803.59,3353.59 v1(3805,3355)
  POWER2 w6: v1(3707,2566) 3652,2566 3642,2576 3642,2628 3749,2735 3749,3254 3772,3277 3820.51,3325.51 3820.51,3339.49 v1(3805,3355)
VBAT_ADC: C22.2 R16.1 R20.2 U6.35 | length 1141.9
  Top Layer w6: U6.35 3362.05,2891 v1@3362.05,2928.8
  POWER2 w6: v1(3365,2935) 3365,2895 3375,2885 3483,2885 3492,2894 3674,2894 3692,2912 3692,3450 v1(3735,3493)
  Bottom Layer w6: R20.2 R20.2@3735,3534 ; C22.2 3735,3573 R20.2@3735,3534 ; v1(3735,3493) R20.2@3735,3534 ; R16.1 R20.2@3735,3534
VCC3V3_IMU: C11.2 C12.2 C25.2 C26.2 C27.2 C39.2 C40.2 R15.1 R17.1 R18.1 R29.2 R31.2 U3.5 U5.8 U5.13 U8.2 U8.6 U8.8 | length 867.2
  Top Layer w10: 2855.3,2821.59 2859.28,2825.57 U5.13 ; U5.8 2996.5,2870.51 3010,2884.02 C25.2
  Top Layer w15: C27.2 2850.98,2840 2855.3,2835.69 2855.3,2821.59 2855.3,2807.5 C26.2
  Top Layer w20: R15.1 R17.1 R18.1
  Bottom Layer w10: R29.2 2936,2955 2944,2947 2944,2896.25 2939.25,2891.5 ; U8.6 2886.37,2774.46 2886.37,2731.37 2885,2730 C39.2@2935,2730 ; U8.2 2913.62,2855.52 2913.62,2876.62 2928.5,2891.5 2971.5,2891.5 2994,2869 2994,2741 2983,2730 C39.2@2935,2730 ; U8.8 2937.56,2774.47 2937.56,2732.56 C39.2@2935,2730 ; 2994,2815 C12.2
  other v1: 3061,2849 3089,2849
VCC3V3_MCU: C13.2 C14.2 C32.2 C33.2 C34.2 C35.2 C36.2 C37.2 C44.2 C45.2 CN15.3 R23.2 R30.1 SW1.3 SW1.4 U4.5 U6.6 U6.11 U6.21 U6.22 U6.28 U6.50 U6.75 U6.100 U9.3 U9.7 U9.8 | length 733.7
  Top Layer w10: v1(3010,3365) C33.2 3040.98,3365 3047.8,3358.19 3047.8,3344.2 3059.2,3332.8 U6.6 3115.23,3332.45 3153.69,3332.45 3168,3318.14 3168,3249 3153.37,3234.37 U6.11 ; R23.2@3035.98,3075 3042.8,3068.19 3042.8,3067.2 3046.19,3063.81 3046.19,3023.69 3052.04,3017.83 U6.22 ; C34.2@3041.81,3037.52 C34.2@3051.81,3037.52 ; C34.2@3045,3030.71 C34.2@3051.81,3037.52 ; U6.21 C34.2@3051.81,3037.52 ; C35.2 3175,3559.02 3183.78,3550.24 U6.100 ; C37.2@3215,2825 3216.67,2825 3220.47,2828.8 3220.47,2845.47 v1(3222,2847) ; v1@3223.15,2848.15 3222.8,2848.5 3222.8,2889.54 U6.28 ; U6.50 3656.57,2889.54 3656.57,2848.6 3663,2842.16 v1(3663,2840) 3661.5,2838.5 3661.5,2816.5 C32.2
  other v1: 3321,2824 3346,2824 3371,2824
VCC5V: C3.2 C4.2 C5.2 C6.2 C41.2 C42.2 C43.2 CN3.2 CN4.3 CN6.3 CN7.3 CN9.3 CN10.6 CN11.2 CN12.2 CN13.2 CN14.2 D1.2 D2.2 P1.1 R27.1 R28.1 U3.1 U3.3 U4.1 U4.3 U7.3 U7.21 U7.24 | length 1827.3
  Top Layer w20: CN13.2 2945.16,2575.87 2945.16,2612.28 2956.87,2624 3168.28,2624 3180,2612.28 CN14.2
  Bottom Layer w10: U3.3 3209.4,2742.6 3237.21,2714.79 3250.61,2701.39 3527.97,2701.39 ; 3510.86,2750.42 U4.3
  Bottom Layer w20: U3.1 3169.78,2817.75 3272.75,2817.75 C3.2 ; D1.2 3508.33,2917 3539.33,2886 C5.2 C6.2@3600,2824.02 ; D2.2 3528,2713 3543,2728 v1(3615,2728) 3633.28,2728 3645,2739.72 3645,2802 ; U4.1 C6.2@3597,2825.22 ; C6.2 3625,2822 3645,2802 ; CN11.2 3803.5,2745 3775,2773.5 3775,2802 ; CN12.2 3786.72,2985 3775,2973.29 3775,2802 ; 3645,2802 3775,2802
  other v1: 3586.25,2727
VCC10V: C7.2 C8.2 CN5.6 CN6.4 CN8.4 L1.1 R8.2
VCC_BAT: C15.2 C16.2 C18.2 C19.2 CN1.7 CN2.7 D3.2 R4.1 R5.1 R16.2 U1.7 U2.7 | length 1207.9
  Bottom Layer w10: v1(3191,2997) 3192.53,2998.53 3192.53,3008.53 3197.83,3013.83 3197.83,3022.57 3204.64,3029.38 R4.1 ; CN2.7 3613.41,3624.59 3623,3615 3759,3615 3774,3600 R16.2
  Bottom Layer w14: U1.7 3203.43,3310.28 3224.63,3331.48 C16.2 ; v1(3649,2979) 3649,2980 3649.09,2980.09 R5.1
  Bottom Layer w20: CN1.7 3174.67,3669.13 3174.67,3714.67 3190,3730 3330,3730 ; C15.2@3224.31,3415.69 3224.31,3337.7 C16.2 ; 3230,3385 3235,3380 ; 3328.31,3380 3329,3379.31 ; D3.2 3328.31,3728.31 3330,3730 ; CN2.7 3613.26,3669.13 3613.26,3716.74 3600,3730 3330,3730
VCC_USB: C46.2 C47.2 D2.1 USB1.2 USB1.11 | length 96.3
  Bottom Layer w40: C47.2 3648,2568 D2.1
  other v1: 3511,2606 3668,2606
pads on no net: CN2.1 U3.4 U4.4 U5.1 U5.2 U5.3 U5.4 U5.5 U5.6 U5.7 U5.12 U5.14 U5.15 U5.16 U5.17 U5.19 U5.21 U6.1 U6.2 U6.3 U6.4 U6.5 U6.7 U6.8 U6.9 U6.19 U6.38 U6.39 U6.40 U6.41 U6.42 U6.43 U6.44 U6.45 U6.46 U6.49 U6.51 U6.52 U6.53 U6.54 U6.55 U6.56 U6.57 U6.58 U6.59 U6.67 U6.73 U6.81 U6.83 U6.88 U6.89 U6.90 U6.91 U6.97 U6.98 U7.1 U7.2 U7.7 U7.12 U7.13 U7.14 U7.15 U7.16 U7.17 U7.18 U7.27 U7.28 USB1. USB1.3 USB1.9
copper on no net:
  other v1: 3695,3705 3730,3705 3650,3785 3650,3820

## Keep-outs
Keep-Out Layer:
  the board outline again, w0.5

## Other copper
Top Layer:
  region net VCC_USB: 3674,2681 3674,2633 3658,2617 3656,2617 3655,2616 3655,2598 3662,2591 3694,2591 3697,2594 3697,2679 3695,2681
  region net VCC_USB: 3485,2681 3485,2600 3494,2591 3529,2591 3530,2592 3530,2609 3506,2633 3506,2681
Bottom Layer:
  rectangle net VCC_USB: 3503,2537 3677,2614
  region net VCC5V: 3508,2630 3508,2720.2 3505,2723.2 3505,2751 3515,2761 3564,2761 3572,2753 3572,2647 3555,2630
  region net VCC3V3_MCU: 3319.15,2841.22 3313.15,2841.22 3311.15,2839.22 3311.15,2800.22 3314.15,2797.22 3368.15,2797.22 3380.15,2785.22 3382.15,2783.22 3411.15,2783.22 3436.15,2808.22 3479.15,2808.22 3483.15,2812.22 3483.15,2830.22 3483.15,2834.22 3477.15,2840.22
  region net VCC10V: 2977,3067 3053,3067 3075,3045 3106,3045 3107,3044 3136,3044 3136,3014 3131,3009 2921,3009 2914,3016 2914,3158 2885,3187 2885,3188 2870,3188 2864,3194 2864,3294 2878,3308 2943,3308 2961,3290 2961,3083
  region net VCC3V3_IMU: 3074,2908 3070,2904 3070,2867 3062,2859 3056,2859 3047,2850 3047,2846 3023,2846 3010,2833 3010,2803 3011,2802 3037,2802 3041,2806 3102,2806 3104,2808 3104,2860 3110,2866 3110,2905 3107,2908
  region net NetC9_2: 3481,2984 3576,2984 3578,2986 3578,3013 3576,3015 3537,3015 3535,3017 3535,3059 3530,3064 3480,3064 3470,3074 3470,3234.35 3421.18,3283.18 3332.18,3283.18 3330,3281 3330,3149 3362,3117 3392,3117 3409,3100 3409,2964 3413,2960 3457,2960
  region net NetC2_1: 3515,3158.15 3504,3147.15 3504,3084 3510,3078 3530,3078 3534,3082 3534,3133 3550,3149 3626,3149 3646,3169 3646,3240 3642,3244 3635,3244 3631,3240 3631,3185 3626,3180 3585,3180 3570,3195 3570,3273 3567,3276 3517,3276 3515,3274
  region net GND: 3159,3274 3159,3228 3156,3225 3135,3225 3129,3231 3129,3445 3134,3450 3177,3450 3178,3449 3178,3301
  region net NetC1_1: 3174,3276 3169,3271 3169,3219 3163,3213 3115,3213 3109,3219 3109,3296 3104,3301 3054,3301 3049,3296 3049,3191 3069,3171 3069,3106 3074,3101 3104,3101 3124,3121 3124,3178 3132,3186 3171,3186 3186,3201 3186,3271 3181,3276

## Silkscreen, mask and mechanical layers (free items; w line width, h text height)
Mechanical 1:
  circle w0.5: c2697.89,3713.68 r78.74
  circle w0.5: c3898.68,3713.68 r78.74
  circle w0.5: c3898.68,2512.89 r78.74
  circle w0.5: c2697.89,2512.89 r78.74
  lines w0.5: 2550.25,2512.89 ccw(c2697.89,2512.89) 2697.89,2365.25 3898.68,2365.25 ccw(c3898.68,2512.89) 4046.31,2512.89 4046.31,3713.68 ccw(c3898.68,3713.68) 3898.68,3861.31 2697.89,3861.31 ccw(c2697.89,3713.68) 2550.25,3713.68 2550.25,2512.89
Mechanical 3:
  circle w0.5: c147.89,147.89 r78.74
  circle w0.5: c1348.68,147.89 r78.74
  circle w0.5: c1348.68,1348.68 r78.74
  circle w0.5: c147.89,1348.68 r78.74
  lines w0.5: 0.25,147.89 ccw(c147.89,147.89) 147.89,0.25 1348.68,0.25 ccw(c1348.68,147.89) 1496.31,147.89 1496.31,1348.68 ccw(c1348.68,1348.68) 1348.68,1496.31 147.89,1496.31 ccw(c147.89,1348.68) 0.25,1348.68 0.25,147.89

## Text inside footprints (layer, text, board x,y; h text height)
C1: Mechanical 15 "1" at 3097.86,3094.23 h25 r90
C2: Mechanical 15 "1" at 3536.77,3103.27 h25 r180
C3: Mechanical 15 "1" at 3260.42,2784.04 h25 r270
C4: Mechanical 15 "1" at 3216.14,2789.77 h25 r270
C5: Mechanical 15 "1" at 3634.96,2872.42 h25
C6: Mechanical 15 "1" at 3588.14,2798.77 h25 r270
C7: Mechanical 15 "1" at 2892.53,3121.71 h25 r180
C8: Mechanical 15 "1" at 3008.29,3002.53 h25 r270
C9: Mechanical 15 "1" at 3392.63,3087.44 h25 r180
C10: Mechanical 15 "1" at 3393.53,3007.71 h25 r180
C11: Mechanical 15 "1" at 3054.04,2898.58 h25 r180
C12: Mechanical 15 "1" at 3015.14,2791.77 h25 r270
C13: Mechanical 15 "1" at 3316.57,2784.26 h25 r270
C14: Mechanical 15 "1" at 3385.3,2773.98 h25 r270
C15: Mechanical 15 "1" at 3182.53,3433.71 h25 r180
C16: Mechanical 15 "1" at 3183.16,3355.1 h25 r180
C17: Mechanical 15 "1" at 3280.77,3149.15 h25 r270
C18: Mechanical 15 "1" at 3692.71,3416.47 h25 r90
C19: Mechanical 15 "1" at 3711.47,3287.29 h25
C20: Mechanical 15 "1" at 3735.24,3111.49 h25 r270
C21: Mechanical 15 "1" at 2993.23,3333.86 h25 r180
C22: Mechanical 15 "1" at 3710.77,3582.86 h25 r180
C23: Mechanical 15 "1" at 2913.23,2933.86 h25 r180
C24: Mechanical 15 "1" at 2966.77,3096.14 h25
C25: Mechanical 15 "1" at 3033.23,2893.86 h25 r180
C26: Mechanical 15 "1" at 2878.31,2763.1 h25 r90
C27: Mechanical 15 "1" at 2841.14,2863.23 h25 r270
C28: Mechanical 15 "1" at 2768.23,3242.14 h25
C29: Mechanical 15 "1" at 2425.42,3273.04 h25 r270
C30: Mechanical 15 "1" at 2776.77,3473.86 h25 r180
C31: Mechanical 15 "1" at 2619.04,3345.58 h25 r180
C32: Mechanical 15 "1" at 3683.23,2823.86 h25 r180
C33: Mechanical 15 "1" at 3031.14,3388.23 h25 r270
C34: Mechanical 15 "1" at 3021.77,3031.14 h25
C35: Mechanical 15 "1" at 3198.23,3568.86 h25 r180
C36: Mechanical 15 "1" at 3736.14,3573.23 h25 r270
C37: Mechanical 15 "1" at 3190.77,2812.14 h25
C38: Mechanical 15 "1" at 2217.23,3486.98 h25
C39: Mechanical 15 "1" at 2924.14,2706.77 h25 r270
C40: Mechanical 15 "1" at 2880.14,2706.77 h25 r270
C41: Mechanical 15 "1" at 2331.77,3282.86 h14.76 r180
C42: Mechanical 15 "1" at 2217.23,3444.14 h25
C43: Mechanical 15 "1" at 2217.23,3529.14 h25
C44: Mechanical 15 "1" at 3483.58,3685.04 h25 r90
C45: Mechanical 15 "1" at 3456.14,3798.23 h25 r270
C46: Mechanical 15 "1" at 3522.29,2518.53 h29.53 r270
C47: Mechanical 15 "1" at 3622.29,2518.53 h29.53 r270
R1: Mechanical 15 "1" at 3531.14,2758.23 h25 r270
R2: Mechanical 15 "1" at 3147.86,3063.53 h25
R3: Mechanical 15 "1" at 3587.33,3035.87 h25
R4: Mechanical 15 "1" at 3196.77,3046.15 h25 r270
R5: Mechanical 15 "1" at 3640.24,3021.49 h25 r270
R6: Mechanical 15 "1" at 3280.77,3239.15 h25 r270
R7: Mechanical 15 "1" at 3256.48,3052.62 h25 r90
R8: Mechanical 15 "1" at 3147.23,3022.14 h25
R9: Mechanical 15 "1" at 3735.24,3196.49 h25 r270
R10: Mechanical 15 "1" at 3697.95,3027.96 h25 r90
R11: Mechanical 15 "1" at 3588.23,2990.56 h25
R12: Mechanical 15 "1" at 3299.48,3052.62 h25 r90
R13: Mechanical 15 "1" at 3742.95,3027.96 h25 r90
R14: Mechanical 15 "1" at 3651.14,2758.23 h25 r270
R15: Mechanical 15 "1" at 3081.14,2763.23 h25 r270
R16: Mechanical 15 "1" at 3765.14,3550.77 h25 r270
R17: Mechanical 15 "1" at 3121.14,2763.23 h25 r270
R18: Mechanical 15 "1" at 3161.14,2763.23 h25 r270
R19: Mechanical 15 "1" at 2913.23,2973.86 h25 r180
R20: Mechanical 15 "1" at 3710.77,3542.86 h25 r180
R21: Mechanical 15 "1" at 2951.77,3571.14 h25
R22: Mechanical 15 "1" at 2913.23,2893.86 h25 r180
R23: Mechanical 15 "1" at 3026.14,3098.23 h25 r270
R24: Mechanical 15 "1" at 2642.23,3241.14 h25
R25: Mechanical 15 "1" at 2287.86,3521.23 h25 r90
R26: Mechanical 15 "1" at 3396.14,2803.23 h25 r270
R27: Mechanical 15 "1" at 2217.23,3569.14 h25
R28: Mechanical 15 "1" at 2432.86,3551.23 h25 r90
R29: Mechanical 15 "1" at 2851.14,2931.77 h25 r270
R30: Mechanical 15 "1" at 3866.77,3313.86 h25 r180
R31: Mechanical 15 "1" at 2920.77,2926.86 h25 r180
R32: Mechanical 15 "1" at 3853.23,3141.14 h25
R33: Mechanical 15 "1" at 3853.23,3196.14 h25
R34: Mechanical 15 "1" at 3143.86,3548.23 h25 r90
R35: Mechanical 15 "1" at 3583.86,3528.23 h25 r90
R36: Mechanical 15 "1" at 3093.86,3548.23 h25 r90
R37: Mechanical 15 "1" at 3543.86,3528.23 h25 r90
R38: Mechanical 15 "1" at 3043.86,3548.23 h25 r90
R39: Mechanical 15 "1" at 3503.86,3528.23 h25 r90
R40: Mechanical 15 "1" at 2993.86,3548.23 h25 r90
R41: Mechanical 15 "1" at 3463.86,3528.23 h25 r90
R42: Mechanical 15 "1" at 3314.23,2636.14 h25